# Altium PCB PCB1.PcbDoc (part 11 of 14)
Units mm, origin at the board's own origin, x right, y up, seen from the top; angles counter-clockwise.
Board outline 77.2 x 62.23 mm, 2 copper layers (Top Layer, Bottom Layer); 102 components, 131 nets, 23089 pads, 324 vias.
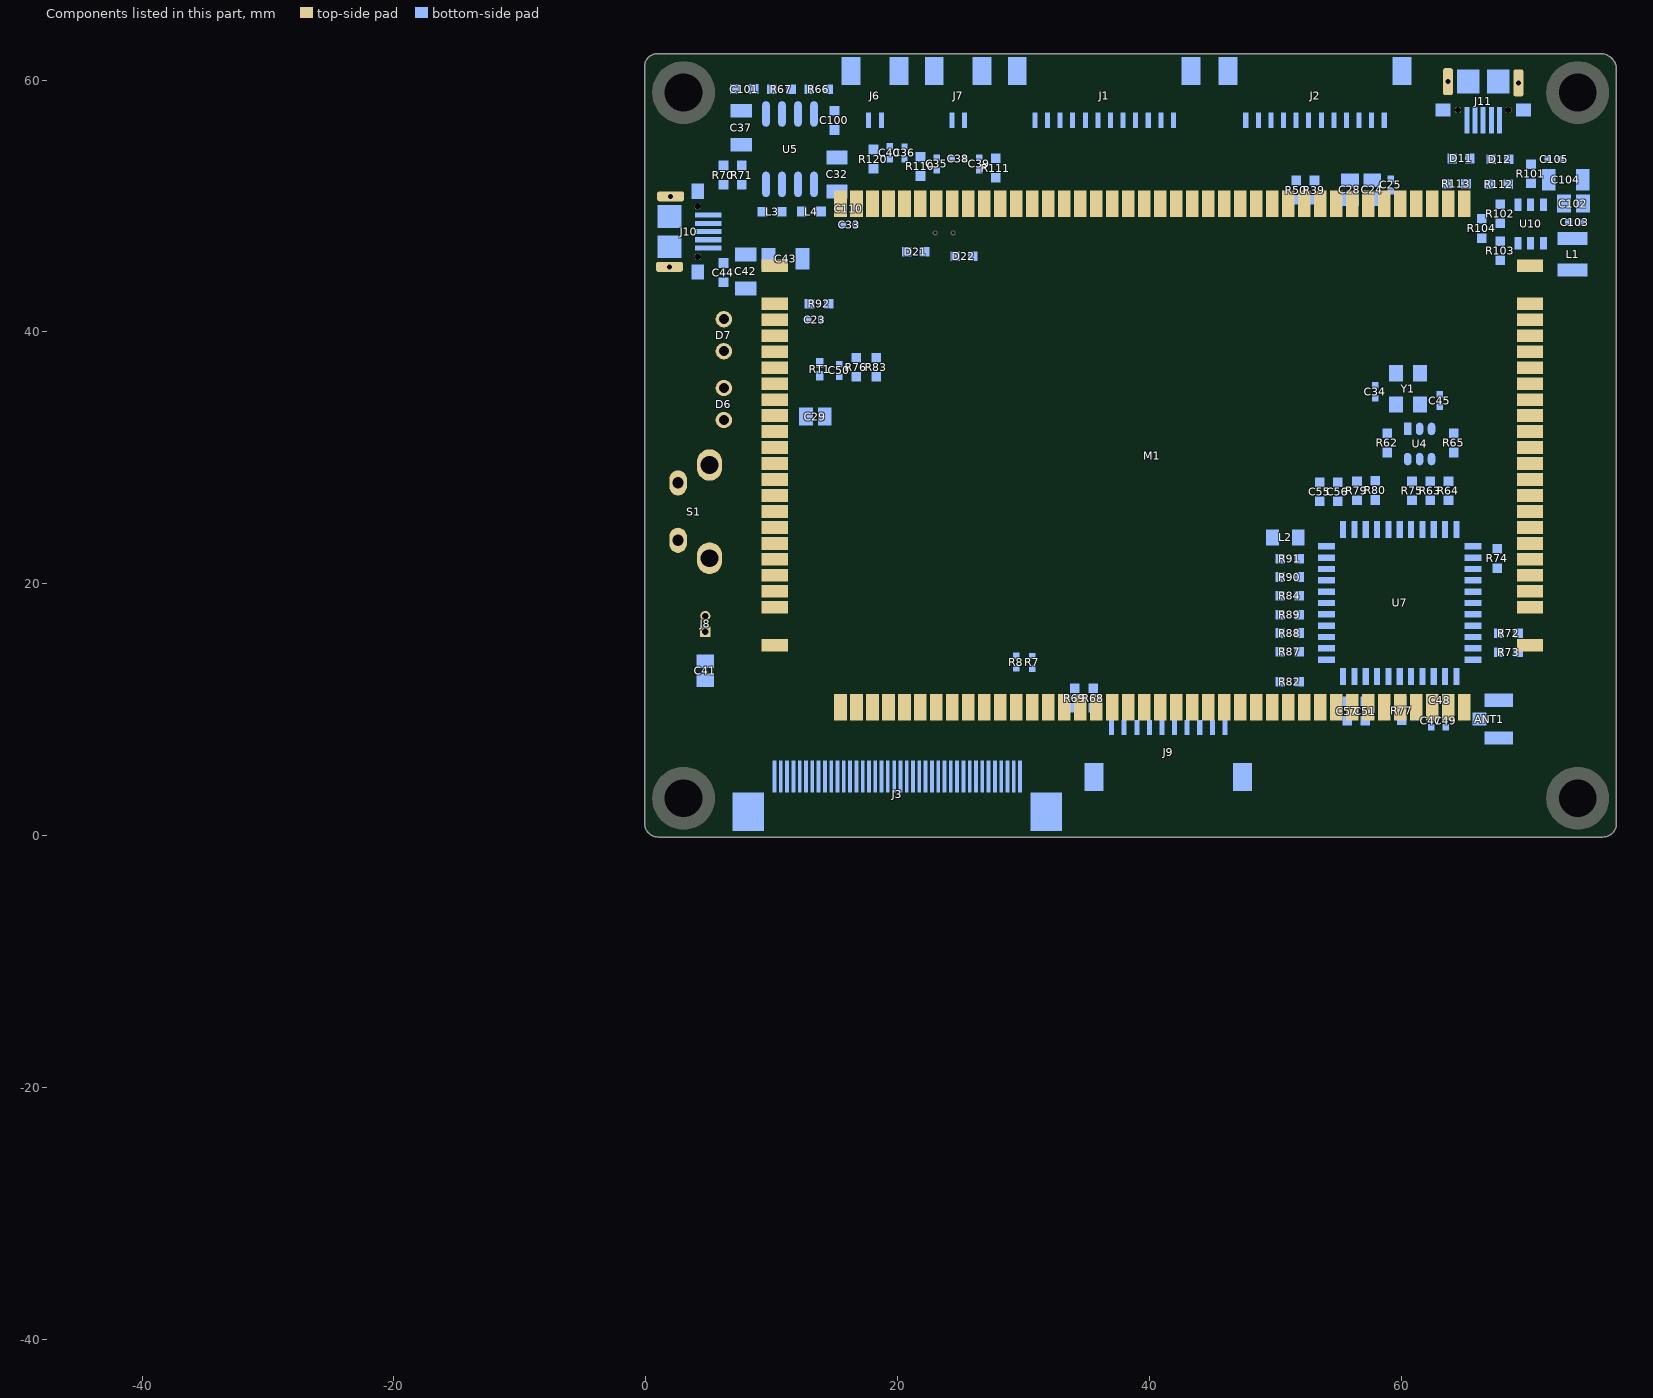
[diagram p11: the components of this part, seen from the top]

## Free pads (board coordinates) (continued)
  round 0 on Mech16: 1(-45.293,-40.469) 1(-45.293,-40.469) 1(-45.293,-40.469) 1(-45.293,-40.467) 1(-45.293,-40.467) 1(-45.293,-40.467) 1(-45.293,-40.481) 1(-45.293,-40.481) 1(-45.293,-40.481) 1(-45.293,-40.511) 1(-45.293,-40.511) 1(-45.293,-40.511) 1(-45.293,-40.514) 1(-45.293,-40.514) 1(-45.293,-40.514) 1(-45.292,-40.479) 1(-45.292,-40.479) 1(-45.292,-40.479) 1(-45.292,-40.472) 1(-45.292,-40.472) 1(-45.292,-40.472) 1(-45.292,-40.506) 1(-45.292,-40.506) 1(-45.292,-40.506) 1(-45.292,-40.501) 1(-45.292,-40.501) 1(-45.292,-40.501) 1(-45.291,-40.493) 1(-45.291,-40.493) 1(-45.291,-40.493) 1(-45.291,-40.468) 1(-45.291,-40.468) 1(-45.291,-40.468) 1(-45.291,-40.498) 1(-45.291,-40.498) 1(-45.291,-40.498) 1(-45.291,-40.485) 1(-45.291,-40.485) 1(-45.291,-40.485) 1(-45.291,-40.506) 1(-45.291,-40.506) 1(-45.291,-40.506) 1(-45.291,-40.488) 1(-45.291,-40.488) 1(-45.291,-40.488) 1(-45.29,-40.477) 1(-45.29,-40.477) 1(-45.29,-40.477) 1(-45.29,-40.474) 1(-45.29,-40.474) 1(-45.29,-40.474) 1(-45.29,-40.514) 1(-45.29,-40.514) 1(-45.29,-40.514) 1(-45.29,-40.49) 1(-45.29,-40.49) 1(-45.29,-40.49) 1(-45.29,-40.51) 1(-45.29,-40.51) 1(-45.29,-40.51) 1(-45.29,-40.496) 1(-45.29,-40.496) 1(-45.29,-40.496) 1(-45.29,-40.482) 1(-45.29,-40.482) 1(-45.29,-40.482) 1(-45.29,-40.477) 1(-45.29,-40.477) 1(-45.29,-40.477) 1(-45.29,-40.473) 1(-45.29,-40.473) 1(-45.29,-40.473) 1(-45.289,-40.467) 1(-45.289,-40.467) 1(-45.289,-40.467) 1(-45.289,-40.507) 1(-45.289,-40.507) 1(-45.289,-40.507) 1(-45.289,-40.506) 1(-45.289,-40.506) 1(-45.289,-40.506) 1(-45.289,-40.505) 1(-45.289,-40.505) 1(-45.289,-40.505) 1(-45.289,-40.503) 1(-45.289,-40.503) 1(-45.289,-40.503) 1(-45.289,-40.47) 1(-45.289,-40.47) 1(-45.289,-40.47) 1(-45.288,-40.482) 1(-45.288,-40.482) 1(-45.288,-40.482) 1(-45.288,-40.48) 1(-45.288,-40.48) 1(-45.288,-40.48) 1(-45.288,-40.512) 1(-45.288,-40.512) 1(-45.288,-40.512) 1(-45.288,-40.515) 1(-45.288,-40.515) 1(-45.288,-40.515) 1(-45.288,-40.519) 1(-45.288,-40.519) 1(-45.288,-40.519) 1(-45.288,-40.466) 1(-45.288,-40.466) 1(-45.288,-40.466) 1(-45.288,-40.5) 1(-45.288,-40.5) 1(-45.288,-40.5) 1(-45.288,-40.495) 1(-45.288,-40.495) 1(-45.288,-40.495) 1(-45.288,-40.498) 1(-45.288,-40.498) 1(-45.288,-40.498) 1(-45.288,-40.497) 1(-45.288,-40.497) 1(-45.288,-40.497) 1(-45.288,-40.473) 1(-45.288,-40.473) 1(-45.288,-40.473) 1(-45.287,-40.477) 1(-45.287,-40.477) 1(-45.287,-40.477) 1(-45.287,-40.486) 1(-45.287,-40.486) 1(-45.287,-40.486) 1(-45.287,-40.468) 1(-45.287,-40.468) 1(-45.287,-40.468) 1(-45.287,-40.463) 1(-45.287,-40.463) 1(-45.287,-40.463) 1(-45.287,-40.517) 1(-45.287,-40.517) 1(-45.287,-40.517) 1(-45.287,-40.481) 1(-45.287,-40.481) 1(-45.287,-40.481) 1(-45.286,-40.514) 1(-45.286,-40.514) 1(-45.286,-40.514) 1(-45.286,-40.493) 1(-45.286,-40.493) 1(-45.286,-40.493) 1(-45.286,-40.503) 1(-45.286,-40.503) 1(-45.286,-40.503) 1(-45.286,-40.509) 1(-45.286,-40.509) 1(-45.286,-40.509) 1(-45.286,-40.506) 1(-45.286,-40.506) 1(-45.286,-40.506) 1(-45.286,-40.5) 1(-45.286,-40.5) 1(-45.286,-40.5) 1(-45.286,-40.499) 1(-45.286,-40.499) 1(-45.286,-40.499) 1(-45.286,-40.475) 1(-45.286,-40.475) 1(-45.286,-40.475) 1(-45.285,-40.492) 1(-45.285,-40.492) 1(-45.285,-40.492) 1(-45.285,-40.496) 1(-45.285,-40.496) 1(-45.285,-40.496) 1(-45.285,-40.482) 1(-45.285,-40.482) 1(-45.285,-40.482) 1(-45.285,-40.484) 1(-45.285,-40.484) 1(-45.285,-40.484) 1(-45.285,-40.512) 1(-45.285,-40.512) 1(-45.285,-40.512) 1(-45.285,-40.501) 1(-45.285,-40.501) 1(-45.285,-40.501) 1(-45.285,-40.505) 1(-45.285,-40.505) 1(-45.285,-40.505) 1(-45.285,-40.472) 1(-45.285,-40.472) 1(-45.285,-40.472) 1(-45.285,-40.506) 1(-45.285,-40.506) 1(-45.285,-40.506) 1(-45.284,-40.479) 1(-45.284,-40.479) 1(-45.284,-40.479) 1(-45.284,-40.514) 1(-45.284,-40.514) 1(-45.284,-40.514) 1(-45.284,-40.47) 1(-45.284,-40.47) 1(-45.284,-40.47) 1(-45.284,-40.517) 1(-45.284,-40.517) 1(-45.284,-40.517) 1(-45.283,-40.51) 1(-45.283,-40.51) 1(-45.283,-40.51) 1(-45.283,-40.479) 1(-45.283,-40.479) 1(-45.283,-40.479) 1(-45.283,-40.469) 1(-45.283,-40.469) 1(-45.283,-40.469) 1(-45.282,-40.519) 1(-45.282,-40.519) 1(-45.282,-40.519) 1(-45.282,-40.49) 1(-45.282,-40.49) 1(-45.282,-40.49) 1(-45.282,-40.486) 1(-45.282,-40.486) 1(-45.282,-40.486) 1(-45.282,-40.485) 1(-45.282,-40.485) 1(-45.282,-40.485) 1(-45.282,-40.491) 1(-45.282,-40.491) 1(-45.282,-40.491) 1(-45.282,-40.488) 1(-45.282,-40.488) 1(-45.282,-40.488) 1(-45.282,-40.505) 1(-45.282,-40.505) 1(-45.282,-40.505) 1(-45.282,-40.501) 1(-45.282,-40.501) 1(-45.282,-40.501) 1(-45.282,-40.502) 1(-45.282,-40.502) 1(-45.282,-40.502) 1(-45.282,-40.482) 1(-45.282,-40.482) 1(-45.282,-40.482) 1(-45.282,-40.499) 1(-45.282,-40.499) 1(-45.282,-40.499) 1(-45.282,-40.484) 1(-45.282,-40.484) 1(-45.282,-40.484) 1(-45.282,-40.481) 1(-45.282,-40.481) 1(-45.282,-40.481) 1(-45.281,-40.493) 1(-45.281,-40.493) 1(-45.281,-40.493) 1(-45.281,-40.479) 1(-45.281,-40.479) 1(-45.281,-40.479) 1(-45.281,-40.51) 1(-45.281,-40.51) 1(-45.281,-40.51) 1(-45.281,-40.499) 1(-45.281,-40.499) 1(-45.281,-40.499) 1(-45.281,-40.512) 1(-45.281,-40.512) 1(-45.281,-40.512) 1(-45.281,-40.483) 1(-45.281,-40.483) 1(-45.281,-40.483) 1(-45.281,-40.501) 1(-45.281,-40.501) 1(-45.281,-40.501) 1(-45.281,-40.514) 1(-45.281,-40.514) 1(-45.281,-40.514) 1(-45.281,-40.503) 1(-45.281,-40.503) 1(-45.281,-40.503) 1(-45.28,-40.509) 1(-45.28,-40.509) 1(-45.28,-40.509) 1(-45.28,-40.506) 1(-45.28,-40.506) 1(-45.28,-40.506) 1(-45.28,-40.469) 1(-45.28,-40.469) 1(-45.28,-40.469) 1(-45.28,-40.462) 1(-45.28,-40.462) 1(-45.28,-40.462) 1(-45.28,-40.488) 1(-45.28,-40.488) 1(-45.28,-40.488) 1(-45.28,-40.48) 1(-45.28,-40.48) 1(-45.28,-40.48) 1(-45.28,-40.502) 1(-45.28,-40.502) 1(-45.28,-40.502) 1(-45.28,-40.516) 1(-45.28,-40.516) 1(-45.28,-40.516) 1(-45.279,-40.483) 1(-45.279,-40.483) 1(-45.279,-40.483) 1(-45.279,-40.505) 1(-45.279,-40.505) 1(-45.279,-40.505) 1(-45.279,-40.496) 1(-45.279,-40.496) 1(-45.279,-40.496) 1(-45.279,-40.482) 1(-45.279,-40.482) 1(-45.279,-40.482) 1(-45.279,-40.499) 1(-45.279,-40.499) 1(-45.279,-40.499) 1(-45.279,-40.479) 1(-45.279,-40.479) 1(-45.279,-40.479) 1(-45.279,-40.462) 1(-45.279,-40.462) 1(-45.279,-40.462) 1(-45.279,-40.49) 1(-45.279,-40.49) 1(-45.279,-40.49) 1(-45.279,-40.489) 1(-45.279,-40.489) 1(-45.279,-40.489) 1(-45.279,-40.482) 1(-45.279,-40.482) 1(-45.279,-40.482) 1(-45.278,-40.468) 1(-45.278,-40.468) 1(-45.278,-40.468) 1(-45.278,-40.485) 1(-45.278,-40.485) 1(-45.278,-40.485) 1(-45.278,-40.496) 1(-45.278,-40.496) 1(-45.278,-40.496) 1(-45.278,-40.51) 1(-45.278,-40.51) 1(-45.278,-40.51) 1(-45.278,-40.493) 1(-45.278,-40.493) 1(-45.278,-40.493) 1(-45.278,-40.492) 1(-45.278,-40.492) 1(-45.278,-40.492) 1(-45.278,-40.5) 1(-45.278,-40.5) 1(-45.278,-40.5) 1(-45.278,-40.505) 1(-45.278,-40.505) 1(-45.278,-40.505) 1(-45.278,-40.503) 1(-45.278,-40.503) 1(-45.278,-40.503) 1(-45.278,-40.499) 1(-45.278,-40.499) 1(-45.278,-40.499) 1(-45.278,-40.48) 1(-45.278,-40.48) 1(-45.278,-40.48) 1(-45.278,-40.516) 1(-45.278,-40.516) 1(-45.278,-40.516) 1(-45.278,-40.485) 1(-45.278,-40.485) 1(-45.278,-40.485) 1(-45.277,-40.492) 1(-45.277,-40.492) 1(-45.277,-40.492) 1(-45.277,-40.506) 1(-45.277,-40.506) 1(-45.277,-40.506) 1(-45.277,-40.489) 1(-45.277,-40.489) 1(-45.277,-40.489) 1(-45.277,-40.504) 1(-45.277,-40.504) 1(-45.277,-40.504) 1(-45.277,-40.496) 1(-45.277,-40.496) 1(-45.277,-40.496) 1(-45.277,-40.472) 1(-45.277,-40.472) 1(-45.277,-40.472) 1(-45.276,-40.475) 1(-45.276,-40.475) 1(-45.276,-40.475) 1(-45.276,-40.519) 1(-45.276,-40.519) 1(-45.276,-40.519) 1(-45.276,-40.481) 1(-45.276,-40.481) 1(-45.276,-40.481) 1(-45.276,-40.511) 1(-45.276,-40.511) 1(-45.276,-40.511) 1(-45.276,-40.472) 1(-45.276,-40.472) 1(-45.276,-40.472) 1(-45.276,-40.516) 1(-45.276,-40.516) 1(-45.276,-40.516) 1(-45.276,-40.468) 1(-45.276,-40.468) 1(-45.276,-40.468) 1(-45.275,-40.477) 1(-45.275,-40.477) 1(-45.275,-40.477) 1(-45.275,-40.484) 1(-45.275,-40.484) 1(-45.275,-40.484) 1(-45.275,-40.506) 1(-45.275,-40.506) 1(-45.275,-40.506) 1(-45.275,-40.49) 1(-45.275,-40.49) 1(-45.275,-40.49) 1(-45.275,-40.504) 1(-45.275,-40.504) 1(-45.275,-40.504) 1(-45.275,-40.5) 1(-45.275,-40.5) 1(-45.275,-40.5) 1(-45.275,-40.484) 1(-45.275,-40.484) 1(-45.275,-40.484) 1(-45.275,-40.478) 1(-45.275,-40.478) 1(-45.275,-40.478) 1(-45.274,-40.516) 1(-45.274,-40.516) 1(-45.274,-40.516) 1(-45.274,-40.511) 1(-45.274,-40.511) 1(-45.274,-40.511) 1(-45.274,-40.504) 1(-45.274,-40.504) 1(-45.274,-40.504) 1(-45.274,-40.47) 1(-45.274,-40.47) 1(-45.274,-40.47) 1(-45.274,-40.485) 1(-45.274,-40.485) 1(-45.274,-40.485) 1(-45.274,-40.51) 1(-45.274,-40.51) 1(-45.274,-40.51) 1(-45.274,-40.466) 1(-45.274,-40.466) 1(-45.274,-40.466) 1(-45.274,-40.502) 1(-45.274,-40.502) 1(-45.274,-40.502) 1(-45.274,-40.488) 1(-45.274,-40.488) 1(-45.274,-40.488) 1(-45.274,-40.496) 1(-45.274,-40.496) 1(-45.274,-40.496) 1(-45.274,-40.508) 1(-45.274,-40.508) 1(-45.274,-40.508) 1(-45.274,-40.507) 1(-45.274,-40.507) 1(-45.274,-40.507) 1(-45.273,-40.505) 1(-45.273,-40.505) 1(-45.273,-40.505) 1(-45.273,-40.509) 1(-45.273,-40.509) 1(-45.273,-40.509) 1(-45.273,-40.485) 1(-45.273,-40.485) 1(-45.273,-40.485) 1(-45.273,-40.47) 1(-45.273,-40.47) 1(-45.273,-40.47) 1(-45.273,-40.472) 1(-45.273,-40.472) 1(-45.273,-40.472) 1(-45.273,-40.479) 1(-45.273,-40.479) 1(-45.273,-40.479) 1(-45.273,-40.476) 1(-45.273,-40.476) 1(-45.273,-40.476) 1(-45.273,-40.475) 1(-45.273,-40.475) 1(-45.273,-40.475) 1(-45.273,-40.511) 1(-45.273,-40.511) 1(-45.273,-40.511) 1(-45.273,-40.493) 1(-45.273,-40.493) 1(-45.273,-40.493) 1(-45.273,-40.466) 1(-45.273,-40.466) 1(-45.273,-40.466) 1(-45.273,-40.508) 1(-45.273,-40.508) 1(-45.273,-40.508) 1(-45.273,-40.494) 1(-45.273,-40.494) 1(-45.273,-40.494) 1(-45.273,-40.506) 1(-45.273,-40.506) 1(-45.273,-40.506) 1(-45.273,-40.481) 1(-45.273,-40.481) 1(-45.273,-40.481) 1(-45.272,-40.484) 1(-45.272,-40.484) 1(-45.272,-40.484) 1(-45.272,-40.499) 1(-45.272,-40.499) 1(-45.272,-40.499) 1(-45.272,-40.501) 1(-45.272,-40.501) 1(-45.272,-40.501) 1(-45.272,-40.493) 1(-45.272,-40.493) 1(-45.272,-40.493) 1(-45.272,-40.483) 1(-45.272,-40.483) 1(-45.272,-40.483) 1(-45.272,-40.5) 1(-45.272,-40.5) 1(-45.272,-40.5) 1(-45.272,-40.497) 1(-45.272,-40.497) 1(-45.272,-40.497) 1(-45.272,-40.466) 1(-45.272,-40.466) 1(-45.272,-40.466) 1(-45.272,-40.49) 1(-45.272,-40.49) 1(-45.272,-40.49) 1(-45.272,-40.488) 1(-45.272,-40.488) 1(-45.272,-40.488) 1(-45.272,-40.495) 1(-45.272,-40.495) 1(-45.272,-40.495) 1(-45.272,-40.487) 1(-45.272,-40.487) 1(-45.272,-40.487) 1(-45.272,-40.508) 1(-45.272,-40.508) 1(-45.272,-40.508) 1(-45.271,-40.503) 1(-45.271,-40.503) 1(-45.271,-40.503) 1(-45.271,-40.475) 1(-45.271,-40.475) 1(-45.271,-40.475) 1(-45.271,-40.468) 1(-45.271,-40.468) 1(-45.271,-40.468) 1(-45.27,-40.509) 1(-45.27,-40.509) 1(-45.27,-40.509) 1(-45.27,-40.506) 1(-45.27,-40.506) 1(-45.27,-40.506) 1(-45.27,-40.47) 1(-45.27,-40.47) 1(-45.27,-40.47) 1(-45.27,-40.489) 1(-45.27,-40.489) 1(-45.27,-40.489) 1(-45.27,-40.486) 1(-45.27,-40.486) 1(-45.27,-40.486) 1(-45.27,-40.511) 1(-45.27,-40.511) 1(-45.27,-40.511) 1(-45.27,-40.465) 1(-45.27,-40.465) 1(-45.27,-40.465) 1(-45.27,-40.519) 1(-45.27,-40.519) 1(-45.27,-40.519) 1(-45.27,-40.495) 1(-45.27,-40.495) 1(-45.27,-40.495) 1(-45.27,-40.47) 1(-45.27,-40.47) 1(-45.27,-40.47) 1(-45.269,-40.475) 1(-45.269,-40.475) 1(-45.269,-40.475) 1(-45.269,-40.509) 1(-45.269,-40.509) 1(-45.269,-40.509) 1(-45.269,-40.471) 1(-45.269,-40.471) 1(-45.269,-40.471) 1(-45.269,-40.517) 1(-45.269,-40.517) 1(-45.269,-40.517) 1(-45.269,-40.49) 1(-45.269,-40.49) 1(-45.269,-40.49) 1(-45.269,-40.507) 1(-45.269,-40.507) 1(-45.269,-40.507) 1(-45.269,-40.488) 1(-45.269,-40.488) 1(-45.269,-40.488) 1(-45.269,-40.497) 1(-45.269,-40.497) 1(-45.269,-40.497) 1(-45.268,-40.475) 1(-45.268,-40.475) 1(-45.268,-40.475) 1(-45.268,-40.471) 1(-45.268,-40.471) 1(-45.268,-40.471) 1(-45.268,-40.484) 1(-45.268,-40.484) 1(-45.268,-40.484) 1(-45.268,-40.505) 1(-45.268,-40.505) 1(-45.268,-40.505) 1(-45.268,-40.465) 1(-45.268,-40.465) 1(-45.268,-40.465) 1(-45.268,-40.495) 1(-45.268,-40.495) 1(-45.268,-40.495) 1(-45.268,-40.494) 1(-45.268,-40.494) 1(-45.268,-40.494) 1(-45.268,-40.5) 1(-45.268,-40.5) 1(-45.268,-40.5) 1(-45.268,-40.476) 1(-45.268,-40.476) 1(-45.268,-40.476) 1(-45.268,-40.492) 1(-45.268,-40.492) 1(-45.268,-40.492) 1(-45.268,-40.497) 1(-45.268,-40.497) 1(-45.268,-40.497) 1(-45.267,-40.517) 1(-45.267,-40.517) 1(-45.267,-40.517) 1(-45.267,-40.501) 1(-45.267,-40.501) 1(-45.267,-40.501) 1(-45.267,-40.476) 1(-45.267,-40.476) 1(-45.267,-40.476) 1(-45.267,-40.511) 1(-45.267,-40.511) 1(-45.267,-40.511) 1(-45.266,-40.508) 1(-45.266,-40.508) 1(-45.266,-40.508) 1(-45.266,-40.475) 1(-45.266,-40.475) 1(-45.266,-40.475) 1(-45.266,-40.495) 1(-45.266,-40.495) 1(-45.266,-40.495) 1(-45.266,-40.491) 1(-45.266,-40.491) 1(-45.266,-40.491) 1(-45.266,-40.49) 1(-45.266,-40.49) 1(-45.266,-40.49) 1(-45.266,-40.509) 1(-45.266,-40.509) 1(-45.266,-40.509) 1(-45.265,-40.507) 1(-45.265,-40.507) 1(-45.265,-40.507) 1(-45.265,-40.47) 1(-45.265,-40.47) 1(-45.265,-40.47) 1(-45.265,-40.465) 1(-45.265,-40.465) 1(-45.265,-40.465) 1(-45.265,-40.499) 1(-45.265,-40.499) 1(-45.265,-40.499) 1(-45.265,-40.517) 1(-45.265,-40.517) 1(-45.265,-40.517) 1(-45.265,-40.508) 1(-45.265,-40.508) 1(-45.265,-40.508) 1(-45.265,-40.471) 1(-45.265,-40.471) 1(-45.265,-40.471) 1(-45.265,-40.493) 1(-45.265,-40.493) 1(-45.265,-40.493) 1(-45.265,-40.491) 1(-45.265,-40.491) 1(-45.265,-40.491) 1(-45.265,-40.483) 1(-45.265,-40.483) 1(-45.265,-40.483) 1(-45.265,-40.496) 1(-45.265,-40.496) 1(-45.265,-40.496) 1(-45.265,-40.487) 1(-45.265,-40.487) 1(-45.265,-40.487) 1(-45.265,-40.47) 1(-45.265,-40.47) 1(-45.265,-40.47) 1(-45.264,-40.511) 1(-45.264,-40.511) 1(-45.264,-40.511) 1(-45.264,-40.504) 1(-45.264,-40.504) 1(-45.264,-40.504) 1(-45.264,-40.506) 1(-45.264,-40.506) 1(-45.264,-40.506) 1(-45.263,-40.482) 1(-45.263,-40.482) 1(-45.263,-40.482) 1(-45.263,-40.519) 1(-45.263,-40.519) 1(-45.263,-40.519) 1(-45.263,-40.517) 1(-45.263,-40.517) 1(-45.263,-40.517) 1(-45.263,-40.512) 1(-45.263,-40.512) 1(-45.263,-40.512) 1(-45.263,-40.463) 1(-45.263,-40.463) 1(-45.263,-40.463) 1(-45.262,-40.472) 1(-45.262,-40.472) 1(-45.262,-40.472) 1(-45.262,-40.506) 1(-45.262,-40.506) 1(-45.262,-40.506) 1(-45.262,-40.498) 1(-45.262,-40.498) 1(-45.262,-40.498) 1(-45.262,-40.501) 1(-45.262,-40.501) 1(-45.262,-40.501) 1(-45.262,-40.508) 1(-45.262,-40.508) 1(-45.262,-40.508) 1(-45.262,-40.503) 1(-45.262,-40.503) 1(-45.262,-40.503) 1(-45.262,-40.507) 1(-45.262,-40.507) 1(-45.262,-40.507) 1(-45.262,-40.498) 1(-45.262,-40.498) 1(-45.262,-40.498) 1(-45.261,-40.515) 1(-45.261,-40.515) 1(-45.261,-40.515) 1(-45.261,-40.472) 1(-45.261,-40.472) 1(-45.261,-40.472) 1(-45.26,-40.499) 1(-45.26,-40.499) 1(-45.26,-40.499) 1(-45.26,-40.501) 1(-45.26,-40.501) 1(-45.26,-40.501) 1(-45.26,-40.503) 1(-45.26,-40.503) 1(-45.26,-40.503) 1(-45.26,-40.496) 1(-45.26,-40.496) 1(-45.26,-40.496) 1(-45.26,-40.481) 1(-45.26,-40.481) 1(-45.26,-40.481) 1(-45.26,-40.51) 1(-45.26,-40.51) 1(-45.26,-40.51) 1(-45.259,-40.505) 1(-45.259,-40.505) 1(-45.259,-40.505) 1(-45.259,-40.503) 1(-45.259,-40.503) 1(-45.259,-40.503) 1(-45.259,-40.506) 1(-45.259,-40.506) 1(-45.259,-40.506) 1(-45.259,-40.498) 1(-45.259,-40.498) 1(-45.259,-40.498) 1(-45.259,-40.516) 1(-45.259,-40.516) 1(-45.259,-40.516) 1(-45.258,-40.509) 1(-45.258,-40.509) 1(-45.258,-40.509) 1(-45.257,-40.503) 1(-45.257,-40.503) 1(-45.257,-40.503) 1(-45.257,-40.507) 1(-45.257,-40.507) 1(-45.257,-40.507) 1(-45.257,-40.505) 1(-45.257,-40.505) 1(-45.257,-40.505) 1(-45.257,-40.511) 1(-45.257,-40.511) 1(-45.257,-40.511) 1(-45.257,-40.498) 1(-45.257,-40.498) 1(-45.257,-40.498) 1(-45.257,-40.505) 1(-45.257,-40.505) 1(-45.257,-40.505) 1(-45.257,-40.508) 1(-45.257,-40.508) 1(-45.257,-40.508) 1(-45.257,-40.482) 1(-45.257,-40.482) 1(-45.257,-40.482) 1(-45.257,-40.507) 1(-45.257,-40.507) 1(-45.257,-40.507) 1(-45.257,-40.503) 1(-45.257,-40.503) 1(-45.257,-40.503) 1(-45.256,-40.481) 1(-45.256,-40.481) 1(-45.256,-40.481) 1(-45.256,-40.499) 1(-45.256,-40.499) 1(-45.256,-40.499) 1(-45.256,-40.518) 1(-45.256,-40.518) 1(-45.256,-40.518) 1(-45.256,-40.503) 1(-45.256,-40.503) 1(-45.256,-40.503) 1(-45.256,-40.509) 1(-45.256,-40.509) 1(-45.256,-40.509) 1(-45.256,-40.464) 1(-45.256,-40.464) 1(-45.256,-40.464) 1(-45.256,-40.478) 1(-45.256,-40.478) 1(-45.256,-40.478) 1(-45.255,-40.506) 1(-45.255,-40.506) 1(-45.255,-40.506) 1(-45.255,-40.508) 1(-45.255,-40.508) 1(-45.255,-40.508) 1(-45.255,-40.502) 1(-45.255,-40.502) 1(-45.255,-40.502) 1(-45.255,-40.503) 1(-45.255,-40.503) 1(-45.255,-40.503) 1(-45.255,-40.507) 1(-45.255,-40.507) 1(-45.255,-40.507) 1(-45.255,-40.496) 1(-45.255,-40.496) 1(-45.255,-40.496) 1(-45.255,-40.509) 1(-45.255,-40.509) 1(-45.255,-40.509) 1(-45.255,-40.498) 1(-45.255,-40.498) 1(-45.255,-40.498) 1(-45.254,-40.5) 1(-45.254,-40.5) 1(-45.254,-40.5) 1(-45.254,-40.513) 1(-45.254,-40.513) 1(-45.254,-40.513) 1(-45.253,-40.481) 1(-45.253,-40.481) 1(-45.253,-40.481) 1(-45.253,-40.518) 1(-45.253,-40.518) 1(-45.253,-40.518) 1(-45.253,-40.505) 1(-45.253,-40.505) 1(-45.253,-40.505) 1(-45.253,-40.499) 1(-45.253,-40.499) 1(-45.253,-40.499) 1(-45.252,-40.478) 1(-45.252,-40.478) 1(-45.252,-40.478) 1(-45.252,-40.508) 1(-45.252,-40.508) 1(-45.252,-40.508) 1(-45.252,-40.503) 1(-45.252,-40.503) 1(-45.252,-40.503) 1(-45.252,-40.482) 1(-45.252,-40.482) 1(-45.252,-40.482) 1(-45.252,-40.506) 1(-45.252,-40.506) 1(-45.252,-40.506) 1(-45.252,-40.463) 1(-45.252,-40.463) 1(-45.252,-40.463) 1(-45.252,-40.498) 1(-45.252,-40.498) 1(-45.252,-40.498) 1(-45.252,-40.496) 1(-45.252,-40.496) 1(-45.252,-40.496) 1(-45.252,-40.504) 1(-45.252,-40.504) 1(-45.252,-40.504) 1(-45.251,-40.466) 1(-45.251,-40.466) 1(-45.251,-40.466) 1(-45.251,-40.508) 1(-45.251,-40.508) 1(-45.251,-40.508) 1(-45.251,-40.506) 1(-45.251,-40.506) 1(-45.251,-40.506) 1(-45.25,-40.504) 1(-45.25,-40.504) 1(-45.25,-40.504) 1(-45.25,-40.503) 1(-45.25,-40.503) 1(-45.25,-40.503) 1(-45.25,-40.501) 1(-45.25,-40.501) 1(-45.25,-40.501) 1(-45.25,-40.496) 1(-45.25,-40.496) 1(-45.25,-40.496) 1(-45.25,-40.482) 1(-45.25,-40.482) 1(-45.25,-40.482) 1(-45.25,-40.481) 1(-45.25,-40.481) 1(-45.25,-40.481) 1(-45.25,-40.508) 1(-45.25,-40.508) 1(-45.25,-40.508) 1(-45.25,-40.506) 1(-45.25,-40.506) 1(-45.25,-40.506) 1(-45.249,-40.501) 1(-45.249,-40.501) 1(-45.249,-40.501) 1(-45.249,-40.475) 1(-45.249,-40.475) 1(-45.249,-40.475) 1(-45.248,-40.518) 1(-45.248,-40.518) 1(-45.248,-40.518) 1(-45.248,-40.475) 1(-45.248,-40.475) 1(-45.248,-40.475) 1(-45.248,-40.499) 1(-45.248,-40.499) 1(-45.248,-40.499) 1(-45.248,-40.502) 1(-45.248,-40.502) 1(-45.248,-40.502) 1(-45.248,-40.508) 1(-45.248,-40.508) 1(-45.248,-40.508) 1(-45.248,-40.506) 1(-45.248,-40.506) 1(-45.248,-40.506) 1(-45.248,-40.508) 1(-45.248,-40.508) 1(-45.248,-40.508) 1(-45.247,-40.485) 1(-45.247,-40.485) 1(-45.247,-40.485) 1(-45.247,-40.486) 1(-45.247,-40.486) 1(-45.247,-40.486) 1(-45.247,-40.484) 1(-45.247,-40.484) 1(-45.247,-40.484) 1(-45.247,-40.494) 1(-45.247,-40.494) 1(-45.247,-40.494) 1(-45.247,-40.493) 1(-45.247,-40.493) 1(-45.247,-40.493) 1(-45.247,-40.506) 1(-45.247,-40.506) 1(-45.247,-40.506) 1(-45.247,-40.503) 1(-45.247,-40.503) 1(-45.247,-40.503) 1(-45.247,-40.508) 1(-45.247,-40.508) 1(-45.247,-40.508) 1(-45.247,-40.486) 1(-45.247,-40.486) 1(-45.247,-40.486) 1(-45.246,-40.482) 1(-45.246,-40.482) 1(-45.246,-40.482) 1(-45.246,-40.49) 1(-45.246,-40.49) 1(-45.246,-40.49) 1(-45.246,-40.485) 1(-45.246,-40.485) 1(-45.246,-40.485) 1(-45.246,-40.466) 1(-45.246,-40.466) 1(-45.246,-40.466) 1(-45.246,-40.495) 1(-45.246,-40.495) 1(-45.246,-40.495) 1(-45.246,-40.519) 1(-45.246,-40.519) 1(-45.246,-40.519) 1(-45.246,-40.519) 1(-45.246,-40.519) 1(-45.246,-40.519) 1(-45.246,-40.463) 1(-45.246,-40.463) 1(-45.246,-40.463) 1(-45.246,-40.5) 1(-45.246,-40.5) 1(-45.246,-40.5) 1(-45.245,-40.502) 1(-45.245,-40.502) 1(-45.245,-40.502) 1(-45.245,-40.48) 1(-45.245,-40.48) 1(-45.245,-40.48) 1(-45.245,-40.491) 1(-45.245,-40.491) 1(-45.245,-40.491) 1(-45.245,-40.498) 1(-45.245,-40.498) 1(-45.245,-40.498) 1(-45.245,-40.497) 1(-45.245,-40.497) 1(-45.245,-40.497) 1(-45.245,-40.48) 1(-45.245,-40.48) 1(-45.245,-40.48) 1(-45.245,-40.489) 1(-45.245,-40.489) 1(-45.245,-40.489) 1(-45.245,-40.495) 1(-45.245,-40.495) 1(-45.245,-40.495) 1(-45.245,-40.485) 1(-45.245,-40.485) 1(-45.245,-40.485) 1(-45.245,-40.496) 1(-45.245,-40.496) 1(-45.245,-40.496) 1(-45.244,-40.507) 1(-45.244,-40.507) 1(-45.244,-40.507) 1(-45.244,-40.498) 1(-45.244,-40.498) 1(-45.244,-40.498) 1(-45.244,-40.509) 1(-45.244,-40.509) 1(-45.244,-40.509) 1(-45.244,-40.472) 1(-45.244,-40.472) 1(-45.244,-40.472) 1(-45.244,-40.511) 1(-45.244,-40.511) 1(-45.244,-40.511) 1(-45.244,-40.488) 1(-45.244,-40.488) 1(-45.244,-40.488) 1(-45.244,-40.481) 1(-45.244,-40.481) 1(-45.244,-40.481) 1(-45.244,-40.495) 1(-45.244,-40.495) 1(-45.244,-40.495) 1(-45.243,-40.519) 1(-45.243,-40.519) 1(-45.243,-40.519) 1(-45.243,-40.489) 1(-45.243,-40.489) 1(-45.243,-40.489) 1(-45.243,-40.498) 1(-45.243,-40.498) 1(-45.243,-40.498) 1(-45.243,-40.492) 1(-45.243,-40.492) 1(-45.243,-40.492) 1(-45.243,-40.49) 1(-45.243,-40.49) 1(-45.243,-40.49) 1(-45.243,-40.511) 1(-45.243,-40.511) 1(-45.243,-40.511) 1(-45.243,-40.479) 1(-45.243,-40.479) 1(-45.243,-40.479) 1(-45.243,-40.508) 1(-45.243,-40.508) 1(-45.243,-40.508) 1(-45.242,-40.485) 1(-45.242,-40.485) 1(-45.242,-40.485) 1(-45.242,-40.489) 1(-45.242,-40.489) 1(-45.242,-40.489) 1(-45.242,-40.498) 1(-45.242,-40.498) 1(-45.242,-40.498) 1(-45.242,-40.488) 1(-45.242,-40.488) 1(-45.242,-40.488) 1(-45.241,-40.492) 1(-45.241,-40.492) 1(-45.241,-40.492) 1(-45.241,-40.479) 1(-45.241,-40.479) 1(-45.241,-40.479) 1(-45.241,-40.496) 1(-45.241,-40.496) 1(-45.241,-40.496) 1(-45.241,-40.495) 1(-45.241,-40.495) 1(-45.241,-40.495) 1(-45.24,-40.49) 1(-45.24,-40.49) 1(-45.24,-40.49) 1(-45.24,-40.492) 1(-45.24,-40.492) 1(-45.24,-40.492) 1(-45.24,-40.48) 1(-45.24,-40.48) 1(-45.24,-40.48) 1(-45.24,-40.512) 1(-45.24,-40.512) 1(-45.24,-40.512) 1(-45.24,-40.488) 1(-45.24,-40.488) 1(-45.24,-40.488) 1(-45.24,-40.485) 1(-45.24,-40.485) 1(-45.24,-40.485) 1(-45.239,-40.495) 1(-45.239,-40.495) 1(-45.239,-40.495) 1(-45.239,-40.472) 1(-45.239,-40.472) 1(-45.239,-40.472) 1(-45.239,-40.499) 1(-45.239,-40.499) 1(-45.239,-40.499) 1(-45.239,-40.511) 1(-45.239,-40.511) 1(-45.239,-40.511) 1(-45.239,-40.482) 1(-45.239,-40.482) 1(-45.239,-40.482) 1(-45.239,-40.516) 1(-45.239,-40.516) 1(-45.239,-40.516) 1(-45.239,-40.479) 1(-45.239,-40.479) 1(-45.239,-40.479) 1(-45.239,-40.498) 1(-45.239,-40.498) 1(-45.239,-40.498) 1(-45.239,-40.502) 1(-45.239,-40.502) 1(-45.239,-40.502) 1(-45.238,-40.485) 1(-45.238,-40.485) 1(-45.238,-40.485) 1(-45.238,-40.49) 1(-45.238,-40.49) 1(-45.238,-40.49) 1(-45.238,-40.47) 1(-45.238,-40.47) 1(-45.238,-40.47) 1(-45.238,-40.498) 1(-45.238,-40.498) 1(-45.238,-40.498) 1(-45.238,-40.488) 1(-45.238,-40.488) 1(-45.238,-40.488) 1(-45.237,-40.503) 1(-45.237,-40.503) 1(-45.237,-40.503) 1(-45.237,-40.509) 1(-45.237,-40.509) 1(-45.237,-40.509) 1(-45.237,-40.507) 1(-45.237,-40.507) 1(-45.237,-40.507) 1(-45.237,-40.506) 1(-45.237,-40.506) 1(-45.237,-40.506) 1(-45.237,-40.501) 1(-45.237,-40.501) 1(-45.237,-40.501) 1(-45.237,-40.493) 1(-45.237,-40.493) 1(-45.237,-40.493) 1(-45.237,-40.504) 1(-45.237,-40.504) 1(-45.237,-40.504) 1(-45.237,-40.516) 1(-45.237,-40.516) 1(-45.237,-40.516) 1(-45.237,-40.491) 1(-45.237,-40.491) 1(-45.237,-40.491) 1(-45.237,-40.47) 1(-45.237,-40.47) 1(-45.237,-40.47) 1(-45.236,-40.516) 1(-45.236,-40.516) 1(-45.236,-40.516) 1(-45.236,-40.485) 1(-45.236,-40.485) 1(-45.236,-40.485) 1(-45.236,-40.498) 1(-45.236,-40.498) 1(-45.236,-40.498) 1(-45.236,-40.491) 1(-45.236,-40.491) 1(-45.236,-40.491) 1(-45.236,-40.479) 1(-45.236,-40.479) 1(-45.236,-40.479) 1(-45.236,-40.463) 1(-45.236,-40.463) 1(-45.236,-40.463) 1(-45.236,-40.5) 1(-45.236,-40.5) 1(-45.236,-40.5) 1(-45.236,-40.49) 1(-45.236,-40.49) 1(-45.236,-40.49) 1(-45.236,-40.493) 1(-45.236,-40.493) 1(-45.236,-40.493) 1(-45.236,-40.486) 1(-45.236,-40.486) 1(-45.236,-40.486) 1(-45.235,-40.509) 1(-45.235,-40.509) 1(-45.235,-40.509) 1(-45.235,-40.507) 1(-45.235,-40.507) 1(-45.235,-40.507) 1(-45.235,-40.505) 1(-45.235,-40.505) 1(-45.235,-40.505) 1(-45.235,-40.504) 1(-45.235,-40.504) 1(-45.235,-40.504) 1(-45.235,-40.502) 1(-45.235,-40.502) 1(-45.235,-40.502) 1(-45.235,-40.517) 1(-45.235,-40.517) 1(-45.235,-40.517) 1(-45.235,-40.488) 1(-45.235,-40.488) 1(-45.235,-40.488) 1(-45.234,-40.47) 1(-45.234,-40.47) 1(-45.234,-40.47) 1(-45.234,-40.496) 1(-45.234,-40.496) 1(-45.234,-40.496) 1(-45.234,-40.495) 1(-45.234,-40.495) 1(-45.234,-40.495) 1(-45.234,-40.466) 1(-45.234,-40.466) 1(-45.234,-40.466) 1(-45.234,-40.491) 1(-45.234,-40.491) 1(-45.234,-40.491) 1(-45.234,-40.497) 1(-45.234,-40.497) 1(-45.234,-40.497) 1(-45.234,-40.482) 1(-45.234,-40.482) 1(-45.234,-40.482) 1(-45.234,-40.516) 1(-45.234,-40.516) 1(-45.234,-40.516) 1(-45.234,-40.517) 1(-45.234,-40.517) 1(-45.234,-40.517) 1(-45.233,-40.502) 1(-45.233,-40.502) 1(-45.233,-40.502) 1(-45.233,-40.515) 1(-45.233,-40.515) 1(-45.233,-40.515) 1(-45.233,-40.5) 1(-45.233,-40.5) 1(-45.233,-40.5) 1(-45.233,-40.505) 1(-45.233,-40.505) 1(-45.233,-40.505) 1(-45.233,-40.507) 1(-45.233,-40.507) 1(-45.233,-40.507) 1(-45.233,-40.504) 1(-45.233,-40.504) 1(-45.233,-40.504) 1(-45.232,-40.509) 1(-45.232,-40.509) 1(-45.232,-40.509) 1(-45.232,-40.483) 1(-45.232,-40.483) 1(-45.232,-40.483) 1(-45.232,-40.49) 1(-45.232,-40.49) 1(-45.232,-40.49) 1(-45.232,-40.515) 1(-45.232,-40.515) 1(-45.232,-40.515) 1(-45.232,-40.462) 1(-45.232,-40.462) 1(-45.232,-40.462) 1(-45.232,-40.47) 1(-45.232,-40.47) 1(-45.232,-40.47) 1(-45.232,-40.516) 1(-45.232,-40.516) 1(-45.232,-40.516) 1(-45.231,-40.47) 1(-45.231,-40.47) 1(-45.231,-40.47) 1(-45.231,-40.471) 1(-45.231,-40.471) 1(-45.231,-40.471) 1(-45.231,-40.517) 1(-45.231,-40.517) 1(-45.231,-40.517) 1(-45.231,-40.468) 1(-45.231,-40.468) 1(-45.231,-40.468) 1(-45.231,-40.463) 1(-45.231,-40.463) 1(-45.231,-40.463) 1(-45.231,-40.469) 1(-45.231,-40.469) 1(-45.231,-40.469) 1(-45.231,-40.471) 1(-45.231,-40.471) 1(-45.231,-40.471) 1(-45.231,-40.492) 1(-45.231,-40.492) 1(-45.231,-40.492) 1(-45.231,-40.486) 1(-45.231,-40.486) 1(-45.231,-40.486) 1(-45.23,-40.49) 1(-45.23,-40.49) 1(-45.23,-40.49) 1(-45.23,-40.509) 1(-45.23,-40.509) 1(-45.23,-40.509) 1(-45.23,-40.508) 1(-45.23,-40.508) 1(-45.23,-40.508) 1(-45.23,-40.502) 1(-45.23,-40.502) 1(-45.23,-40.502) 1(-45.23,-40.5) 1(-45.23,-40.5) 1(-45.23,-40.5) 1(-45.23,-40.504) 1(-45.23,-40.504) 1(-45.23,-40.504) 1(-45.23,-40.506) 1(-45.23,-40.506) 1(-45.23,-40.506) 1(-45.23,-40.498) 1(-45.23,-40.498) 1(-45.23,-40.498) 1(-45.23,-40.507) 1(-45.23,-40.507) 1(-45.23,-40.507) 1(-45.23,-40.485) 1(-45.23,-40.485) 1(-45.23,-40.485) 1(-45.229,-40.467) 1(-45.229,-40.467) 1(-45.229,-40.467) 1(-45.229,-40.494) 1(-45.229,-40.494) 1(-45.229,-40.494) 1(-45.229,-40.502) 1(-45.229,-40.502) 1(-45.229,-40.502) 1(-45.229,-40.466) 1(-45.229,-40.466) 1(-45.229,-40.466) 1(-45.229,-40.497) 1(-45.229,-40.497) 1(-45.229,-40.497) 1(-45.229,-40.49) 1(-45.229,-40.49) 1(-45.229,-40.49) 1(-45.229,-40.475) 1(-45.229,-40.475) 1(-45.229,-40.475) 1(-45.229,-40.511) 1(-45.229,-40.511) 1(-45.229,-40.511) 1(-45.228,-40.499) 1(-45.228,-40.499) 1(-45.228,-40.499) 1(-45.228,-40.517) 1(-45.228,-40.517) 1(-45.228,-40.517) 1(-45.228,-40.496) 1(-45.228,-40.496) 1(-45.228,-40.496) 1(-45.228,-40.515) 1(-45.228,-40.515) 1(-45.228,-40.515) 1(-45.228,-40.51) 1(-45.228,-40.51) 1(-45.228,-40.51) 1(-45.228,-40.513) 1(-45.228,-40.513) 1(-45.228,-40.513) 1(-45.227,-40.495) 1(-45.227,-40.495) 1(-45.227,-40.495) 1(-45.227,-40.499) 1(-45.227,-40.499) 1(-45.227,-40.499) 1(-45.227,-40.507) 1(-45.227,-40.507) 1(-45.227,-40.507) 1(-45.226,-40.473) 1(-45.226,-40.473) 1(-45.226,-40.473) 1(-45.226,-40.468) 1(-45.226,-40.468) 1(-45.226,-40.468) 1(-45.226,-40.496) 1(-45.226,-40.496) 1(-45.226,-40.496) 1(-45.226,-40.494) 1(-45.226,-40.494) 1(-45.226,-40.494) 1(-45.226,-40.51) 1(-45.226,-40.51) 1(-45.226,-40.51) 1(-45.226,-40.503) 1(-45.226,-40.503) 1(-45.226,-40.503) 1(-45.226,-40.492) 1(-45.226,-40.492) 1(-45.226,-40.492) 1(-45.226,-40.498) 1(-45.226,-40.498) 1(-45.226,-40.498) 1(-45.226,-40.51) 1(-45.226,-40.51) 1(-45.226,-40.51) 1(-45.226,-40.486) 1(-45.226,-40.486) 1(-45.226,-40.486) 1(-45.225,-40.491) 1(-45.225,-40.491) 1(-45.225,-40.491) 1(-45.225,-40.49) 1(-45.225,-40.49) 1(-45.225,-40.49) 1(-45.225,-40.506) 1(-45.225,-40.506) 1(-45.225,-40.506) 1(-45.225,-40.466) 1(-45.225,-40.466) 1(-45.225,-40.466) 1(-45.225,-40.519) 1(-45.225,-40.519) 1(-45.225,-40.519) 1(-45.225,-40.498) 1(-45.225,-40.498) 1(-45.225,-40.498) 1(-45.225,-40.48) 1(-45.225,-40.48) 1(-45.225,-40.48) 1(-45.225,-40.487) 1(-45.225,-40.487) 1(-45.225,-40.487) 1(-45.225,-40.482) 1(-45.225,-40.482) 1(-45.225,-40.482) 1(-45.225,-40.47) 1(-45.225,-40.47) 1(-45.225,-40.47) 1(-45.224,-40.516) 1(-45.224,-40.516) 1(-45.224,-40.516) 1(-45.224,-40.513) 1(-45.224,-40.513) 1(-45.224,-40.513) 1(-45.223,-40.477) 1(-45.223,-40.477) 1(-45.223,-40.477) 1(-45.223,-40.463) 1(-45.223,-40.463) 1(-45.223,-40.463) 1(-45.223,-40.475) 1(-45.223,-40.475) 1(-45.223,-40.475) 1(-45.223,-40.468) 1(-45.223,-40.468) 1(-45.223,-40.468) 1(-45.223,-40.479) 1(-45.223,-40.479) 1(-45.223,-40.479) 1(-45.223,-40.507) 1(-45.223,-40.507) 1(-45.223,-40.507) 1(-45.223,-40.509) 1(-45.223,-40.509) 1(-45.223,-40.509) 1(-45.223,-40.462) 1(-45.223,-40.462) 1(-45.223,-40.462) 1(-45.223,-40.516) 1(-45.223,-40.516) 1(-45.223,-40.516) 1(-45.222,-40.463) 1(-45.222,-40.463) 1(-45.222,-40.463) 1(-45.222,-40.469) 1(-45.222,-40.469) 1(-45.222,-40.469) 1(-45.222,-40.494) 1(-45.222,-40.494) 1(-45.222,-40.494) 1(-45.222,-40.502) 1(-45.222,-40.502) 1(-45.222,-40.502) 1(-45.222,-40.492) 1(-45.222,-40.492) 1(-45.222,-40.492) 1(-45.222,-40.519) 1(-45.222,-40.519) 1(-45.222,-40.519) 1(-45.222,-40.489) 1(-45.222,-40.489) 1(-45.222,-40.489) 1(-45.222,-40.508) 1(-45.222,-40.508) 1(-45.222,-40.508) 1(-45.222,-40.49) 1(-45.222,-40.49) 1(-45.222,-40.49) 1(-45.222,-40.483) 1(-45.222,-40.483) 1(-45.222,-40.483) 1(-45.222,-40.473) 1(-45.222,-40.473) 1(-45.222,-40.473) 1(-45.222,-40.48) 1(-45.222,-40.48) 1(-45.222,-40.48) 1(-45.222,-40.467) 1(-45.222,-40.467) 1(-45.222,-40.467) 1(-45.222,-40.504) 1(-45.222,-40.504) 1(-45.222,-40.504) 1(-45.221,-40.475) 1(-45.221,-40.475) 1(-45.221,-40.475) 1(-45.221,-40.501) 1(-45.221,-40.501) 1(-45.221,-40.501) 1(-45.221,-40.488) 1(-45.221,-40.488) 1(-45.221,-40.488) 1(-45.221,-40.485) 1(-45.221,-40.485) 1(-45.221,-40.485) 1(-45.221,-40.469) 1(-45.221,-40.469) 1(-45.221,-40.469) 1(-45.221,-40.484) 1(-45.221,-40.484) 1(-45.221,-40.484) 1(-45.221,-40.5) 1(-45.221,-40.5) 1(-45.221,-40.5) 1(-45.221,-40.514) 1(-45.221,-40.514) 1(-45.221,-40.514) 1(-45.22,-40.47) 1(-45.22,-40.47) 1(-45.22,-40.47) 1(-45.22,-40.499) 1(-45.22,-40.499) 1(-45.22,-40.499) 1(-45.22,-40.467) 1(-45.22,-40.467) 1(-45.22,-40.467) 1(-45.219,-40.482) 1(-45.219,-40.482) 1(-45.219,-40.482) 1(-45.219,-40.508) 1(-45.219,-40.508) 1(-45.219,-40.508) 1(-45.219,-40.495) 1(-45.219,-40.495) 1(-45.219,-40.495) 1(-45.219,-40.47) 1(-45.219,-40.47) 1(-45.219,-40.47) 1(-45.218,-40.471) 1(-45.218,-40.471) 1(-45.218,-40.471) 1(-45.218,-40.476) 1(-45.218,-40.476) 1(-45.218,-40.476) 1(-45.218,-40.473) 1(-45.218,-40.473) 1(-45.218,-40.473) 1(-45.218,-40.478) 1(-45.218,-40.478) 1(-45.218,-40.478) 1(-45.218,-40.519) 1(-45.218,-40.519) 1(-45.218,-40.519) 1(-45.218,-40.515) 1(-45.218,-40.515) 1(-45.218,-40.515) 1(-45.218,-40.482) 1(-45.218,-40.482) 1(-45.218,-40.482) 1(-45.218,-40.462) 1(-45.218,-40.462) 1(-45.218,-40.462) 1(-45.217,-40.486) 1(-45.217,-40.486) 1(-45.217,-40.486) 1(-45.217,-40.494) 1(-45.217,-40.494) 1(-45.217,-40.494) 1(-45.217,-40.49) 1(-45.217,-40.49) 1(-45.217,-40.49) 1(-45.217,-40.466) 1(-45.217,-40.466) 1(-45.217,-40.466) 1(-45.217,-40.503) 1(-45.217,-40.503) 1(-45.217,-40.503) 1(-45.217,-40.508) 1(-45.217,-40.508) 1(-45.217,-40.508) 1(-45.217,-40.498) 1(-45.217,-40.498) 1(-45.217,-40.498)
  round 0.001 on Mech3: 1(-45.293,-40.509) 1(-45.293,-40.509) 1(-45.293,-40.509) 1(-45.293,-40.509) 1(-45.293,-40.509) 1(-45.293,-40.509) 1(-45.293,-40.482) 1(-45.293,-40.482) 1(-45.293,-40.482) 1(-45.293,-40.482) 1(-45.293,-40.482) 1(-45.293,-40.482) 1(-45.292,-40.491) 1(-45.292,-40.491) 1(-45.292,-40.491) 1(-45.292,-40.491) 1(-45.292,-40.491) 1(-45.292,-40.491) 1(-45.292,-40.482) 1(-45.292,-40.482) 1(-45.292,-40.482) 1(-45.292,-40.482) 1(-45.292,-40.482) 1(-45.292,-40.482) 1(-45.291,-40.5) 1(-45.291,-40.5) 1(-45.291,-40.5) 1(-45.291,-40.5) 1(-45.291,-40.5) 1(-45.291,-40.5) 1(-45.291,-40.495) 1(-45.291,-40.495) 1(-45.291,-40.495) 1(-45.291,-40.492) 1(-45.291,-40.492) 1(-45.291,-40.492) 1(-45.291,-40.492) 1(-45.291,-40.492) 1(-45.291,-40.492) 1(-45.289,-40.507) 1(-45.289,-40.507) 1(-45.289,-40.507) 1(-45.289,-40.498) 1(-45.289,-40.498) 1(-45.289,-40.498) 1(-45.289,-40.498) 1(-45.289,-40.498) 1(-45.289,-40.498) 1(-45.289,-40.478) 1(-45.289,-40.478) 1(-45.289,-40.478) 1(-45.289,-40.478) 1(-45.289,-40.478) 1(-45.289,-40.478) 1(-45.289,-40.47) 1(-45.289,-40.47) 1(-45.289,-40.47) 1(-45.288,-40.492) 1(-45.288,-40.492) 1(-45.288,-40.492) 1(-45.288,-40.492) 1(-45.288,-40.492) 1(-45.288,-40.492) 1(-45.287,-40.478) 1(-45.287,-40.478) 1(-45.287,-40.478) 1(-45.287,-40.478) 1(-45.287,-40.478) 1(-45.287,-40.478) 1(-45.287,-40.477) 1(-45.287,-40.477) 1(-45.287,-40.477) 1(-45.287,-40.49) 1(-45.287,-40.49) 1(-45.287,-40.49) 1(-45.287,-40.488) 1(-45.287,-40.488) 1(-45.287,-40.488) 1(-45.287,-40.485) 1(-45.287,-40.485) 1(-45.287,-40.485) 1(-45.287,-40.482) 1(-45.287,-40.482) 1(-45.287,-40.482) 1(-45.287,-40.494) 1(-45.287,-40.494) 1(-45.287,-40.494) 1(-45.287,-40.494) 1(-45.287,-40.494) 1(-45.287,-40.494) 1(-45.287,-40.493) 1(-45.287,-40.493) 1(-45.287,-40.493) 1(-45.287,-40.493) 1(-45.287,-40.493) 1(-45.287,-40.493) 1(-45.287,-40.515) 1(-45.287,-40.515) 1(-45.287,-40.515) 1(-45.287,-40.515) 1(-45.287,-40.515) 1(-45.287,-40.515) 1(-45.287,-40.481) 1(-45.287,-40.481) 1(-45.287,-40.481) 1(-45.287,-40.472) 1(-45.287,-40.472) 1(-45.287,-40.472) 1(-45.287,-40.472) 1(-45.287,-40.472) 1(-45.287,-40.472) 1(-45.285,-40.495) 1(-45.285,-40.495) 1(-45.285,-40.495) 1(-45.285,-40.495) 1(-45.285,-40.495) 1(-45.285,-40.495) 1(-45.285,-40.492) 1(-45.285,-40.492) 1(-45.285,-40.492) 1(-45.285,-40.485) 1(-45.285,-40.485) 1(-45.285,-40.485) 1(-45.285,-40.485) 1(-45.285,-40.485) 1(-45.285,-40.485) 1(-45.285,-40.485) 1(-45.285,-40.485) 1(-45.285,-40.485) 1(-45.285,-40.485) 1(-45.285,-40.485) 1(-45.285,-40.485) 1(-45.284,-40.507) 1(-45.284,-40.507) 1(-45.284,-40.507) 1(-45.284,-40.507) 1(-45.284,-40.507) 1(-45.284,-40.507) 1(-45.284,-40.47) 1(-45.284,-40.47) 1(-45.284,-40.47) 1(-45.284,-40.47) 1(-45.284,-40.47) 1(-45.284,-40.47) 1(-45.283,-40.506) 1(-45.283,-40.506) 1(-45.283,-40.506) 1(-45.283,-40.506) 1(-45.283,-40.506) 1(-45.283,-40.506) 1(-45.283,-40.505) 1(-45.283,-40.505) 1(-45.283,-40.505) 1(-45.283,-40.505) 1(-45.283,-40.505) 1(-45.283,-40.505) 1(-45.283,-40.504) 1(-45.283,-40.504) 1(-45.283,-40.504) 1(-45.283,-40.498) 1(-45.283,-40.498) 1(-45.283,-40.498) 1(-45.283,-40.495) 1(-45.283,-40.495) 1(-45.283,-40.495) 1(-45.283,-40.494) 1(-45.283,-40.494) 1(-45.283,-40.494) 1(-45.283,-40.492) 1(-45.283,-40.492) 1(-45.283,-40.492) 1(-45.283,-40.491) 1(-45.283,-40.491) 1(-45.283,-40.491) 1(-45.283,-40.486) 1(-45.283,-40.486) 1(-45.283,-40.486) 1(-45.283,-40.485) 1(-45.283,-40.485) 1(-45.283,-40.485) 1(-45.283,-40.485) 1(-45.283,-40.485) 1(-45.283,-40.485) 1(-45.283,-40.482) 1(-45.283,-40.482) 1(-45.283,-40.482) 1(-45.283,-40.481) 1(-45.283,-40.481) 1(-45.283,-40.481) 1(-45.283,-40.491) 1(-45.283,-40.491) 1(-45.283,-40.491) 1(-45.283,-40.491) 1(-45.283,-40.491) 1(-45.283,-40.491) 1(-45.283,-40.481) 1(-45.283,-40.481) 1(-45.283,-40.481) 1(-45.283,-40.481) 1(-45.283,-40.481) 1(-45.283,-40.481) 1(-45.283,-40.481) 1(-45.283,-40.481) 1(-45.283,-40.481) 1(-45.283,-40.481) 1(-45.283,-40.481) 1(-45.283,-40.481) 1(-45.282,-40.486) 1(-45.282,-40.486) 1(-45.282,-40.486) 1(-45.282,-40.485) 1(-45.282,-40.485) 1(-45.282,-40.485) 1(-45.282,-40.491) 1(-45.282,-40.491) 1(-45.282,-40.491) 1(-45.282,-40.482) 1(-45.282,-40.482) 1(-45.282,-40.482) 1(-45.282,-40.481) 1(-45.282,-40.481) 1(-45.282,-40.481) 1(-45.282,-40.481) 1(-45.282,-40.481) 1(-45.282,-40.481) 1(-45.277,-40.481) 1(-45.277,-40.481) 1(-45.277,-40.481) 1(-45.277,-40.481) 1(-45.277,-40.481) 1(-45.277,-40.481) 1(-45.276,-40.509) 1(-45.276,-40.509) 1(-45.276,-40.509) 1(-45.276,-40.509) 1(-45.276,-40.509) 1(-45.276,-40.509) 1(-45.276,-40.482) 1(-45.276,-40.482) 1(-45.276,-40.482) 1(-45.276,-40.482) 1(-45.276,-40.482) 1(-45.276,-40.482) 1(-45.276,-40.47) 1(-45.276,-40.47) 1(-45.276,-40.47) 1(-45.276,-40.47) 1(-45.276,-40.47) 1(-45.276,-40.47) 1(-45.274,-40.516) 1(-45.274,-40.516) 1(-45.274,-40.516) 1(-45.274,-40.511) 1(-45.274,-40.511) 1(-45.274,-40.511) 1(-45.274,-40.516) 1(-45.274,-40.516) 1(-45.274,-40.516) 1(-45.274,-40.516) 1(-45.274,-40.516) 1(-45.274,-40.516) 1(-45.274,-40.467) 1(-45.274,-40.467) 1(-45.274,-40.467) 1(-45.274,-40.467) 1(-45.274,-40.467) 1(-45.274,-40.467) 1(-45.269,-40.515) 1(-45.269,-40.515) 1(-45.269,-40.515) 1(-45.269,-40.515) 1(-45.269,-40.515) 1(-45.269,-40.515) 1(-45.268,-40.514) 1(-45.268,-40.514) 1(-45.268,-40.514) 1(-45.268,-40.514) 1(-45.268,-40.514) 1(-45.268,-40.514) 1(-45.268,-40.513) 1(-45.268,-40.513) 1(-45.268,-40.513) 1(-45.259,-40.516) 1(-45.259,-40.516) 1(-45.259,-40.516) 1(-45.254,-40.514) 1(-45.254,-40.514) 1(-45.254,-40.514) 1(-45.254,-40.514) 1(-45.254,-40.514) 1(-45.254,-40.514) 1(-45.254,-40.513) 1(-45.254,-40.513) 1(-45.254,-40.513) 1(-45.254,-40.515) 1(-45.254,-40.515) 1(-45.254,-40.515) 1(-45.254,-40.515) 1(-45.254,-40.515) 1(-45.254,-40.515) 1(-45.247,-40.506) 1(-45.247,-40.506) 1(-45.247,-40.506) 1(-45.247,-40.503) 1(-45.247,-40.503) 1(-45.247,-40.503) 1(-45.247,-40.503) 1(-45.247,-40.503) 1(-45.247,-40.503) 1(-45.247,-40.499) 1(-45.247,-40.499) 1(-45.247,-40.499) 1(-45.247,-40.499) 1(-45.247,-40.499) 1(-45.247,-40.499) 1(-45.245,-40.497) 1(-45.245,-40.497) 1(-45.245,-40.497) 1(-45.245,-40.497) 1(-45.245,-40.497) 1(-45.245,-40.497) 1(-45.241,-40.515) 1(-45.241,-40.515) 1(-45.241,-40.515) 1(-45.241,-40.515) 1(-45.241,-40.515) 1(-45.241,-40.515) 1(-45.24,-40.514) 1(-45.24,-40.514) 1(-45.24,-40.514) 1(-45.24,-40.514) 1(-45.24,-40.514) 1(-45.24,-40.514) 1(-45.24,-40.513) 1(-45.24,-40.513) 1(-45.24,-40.513) 1(-45.239,-40.497) 1(-45.239,-40.497) 1(-45.239,-40.497) 1(-45.239,-40.497) 1(-45.239,-40.497) 1(-45.239,-40.497) 1(-45.237,-40.495) 1(-45.237,-40.495) 1(-45.237,-40.495) 1(-45.237,-40.495) 1(-45.237,-40.495) 1(-45.237,-40.495) 1(-45.234,-40.495) 1(-45.234,-40.495) 1(-45.234,-40.495) 1(-45.234,-40.495) 1(-45.234,-40.495) 1(-45.234,-40.495) 1(-45.23,-40.467) 1(-45.23,-40.467) 1(-45.23,-40.467) 1(-45.23,-40.467) 1(-45.23,-40.467) 1(-45.23,-40.467) 1(-45.23,-40.495) 1(-45.23,-40.495) 1(-45.23,-40.495) 1(-45.23,-40.495) 1(-45.23,-40.495) 1(-45.23,-40.495) 1(-45.229,-40.497) 1(-45.229,-40.497) 1(-45.229,-40.497) 1(-45.229,-40.496) 1(-45.229,-40.496) 1(-45.229,-40.496) 1(-45.229,-40.496) 1(-45.229,-40.496) 1(-45.229,-40.496) 1(-45.229,-40.468) 1(-45.229,-40.468) 1(-45.229,-40.468) 1(-45.229,-40.468) 1(-45.229,-40.468) 1(-45.229,-40.468) 1(-45.223,-40.478) 1(-45.223,-40.478) 1(-45.223,-40.478) 1(-45.223,-40.477) 1(-45.223,-40.477) 1(-45.223,-40.477) 1(-45.223,-40.468) 1(-45.223,-40.468) 1(-45.223,-40.468) 1(-45.223,-40.468) 1(-45.223,-40.468) 1(-45.223,-40.468) 1(-45.223,-40.468) 1(-45.223,-40.468) 1(-45.223,-40.468)